# Altium PCB EPS.PcbDoc (part 2 of 10)
Units mm, origin at the board's own origin, x right, y up, seen from the top; angles counter-clockwise.
Board outline 90.25 x 93.64 mm, 8 copper layers (Top Layer, PGND, Power, Control Signals 1, Control Signals 2, Signal 1, Signal 2, Bottom Layer), stack 1.637 mm thick; 941 components, 557 nets, 2694 pads, 869 vias.
Unrouted connection lines stored in the file: 2.
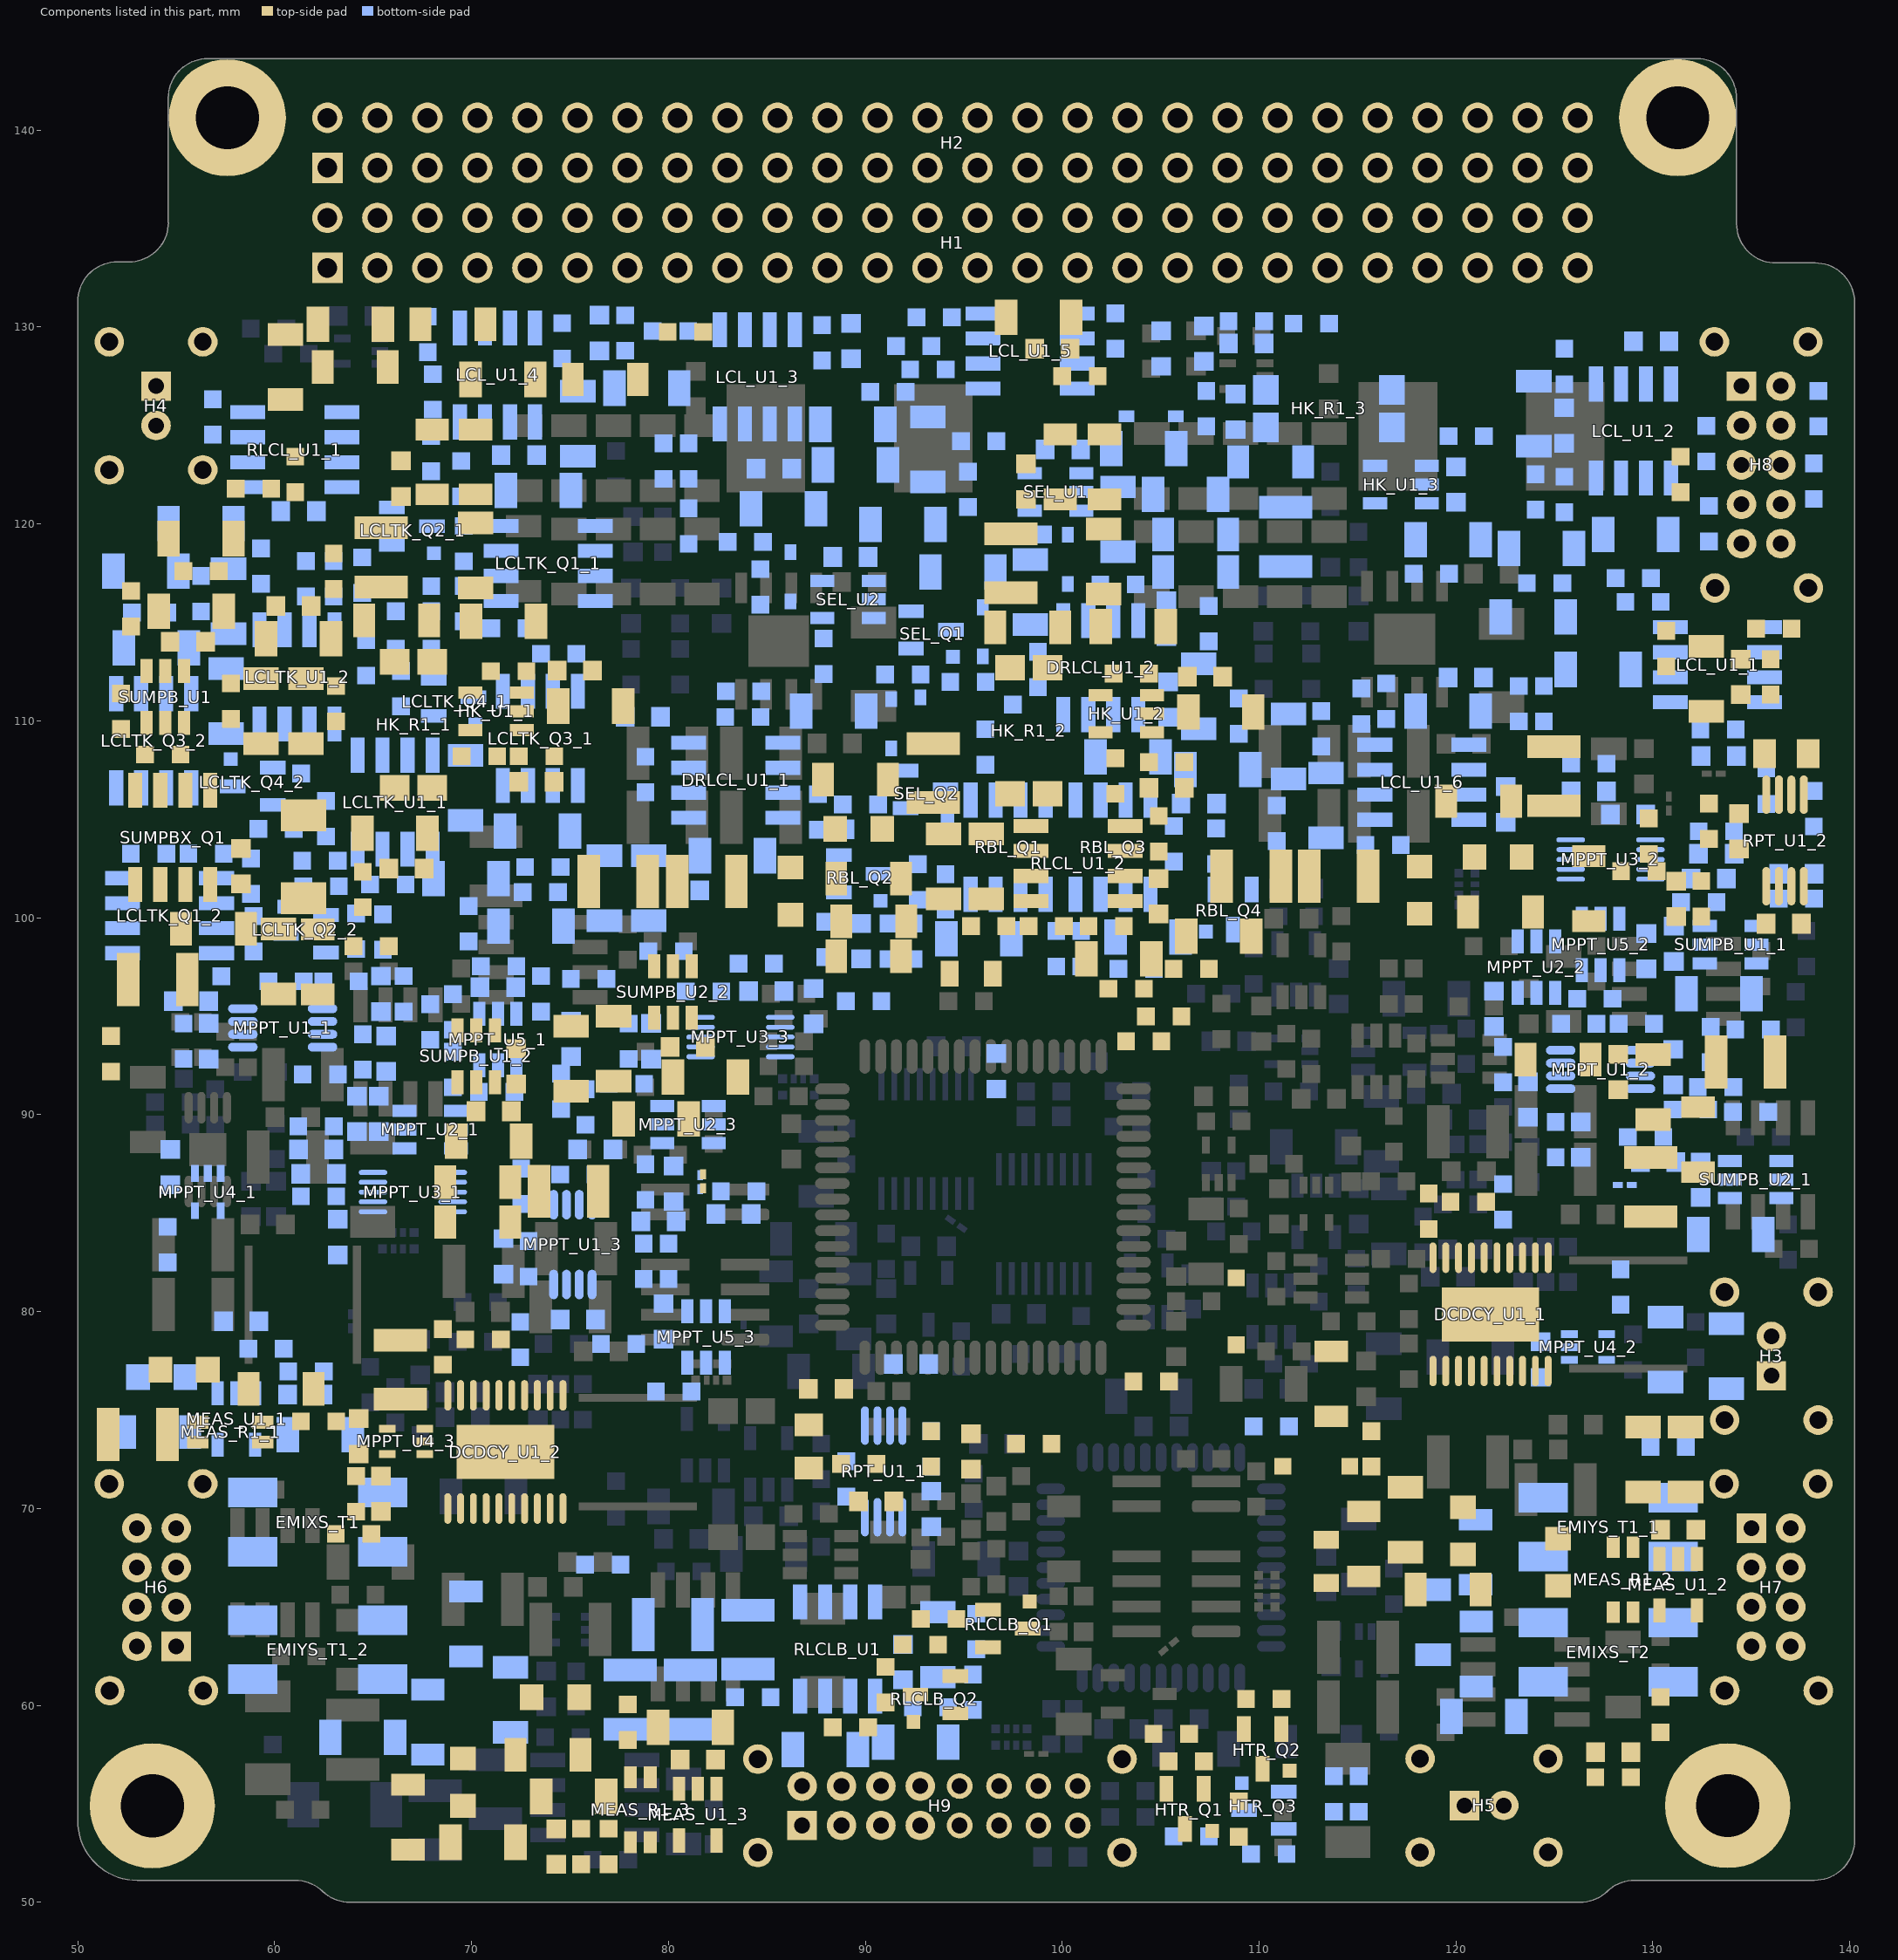
[diagram p8: the components of this part, seen from the top]

## Components (designator, comment, footprint, x,y, rotation, side; value= is the part's Value field where it differs from the comment) (continued)
DCDCY_R9_1 "470k/1%" SMD_Resistor_0603 122.39,85.571 r270 bottom (schematic designator DCDCY_R9)
DCDCY_R9_2 "470k/1%" SMD_Resistor_0603 72.479,78.575 r270 bottom (schematic designator DCDCY_R9)
DCDCY_R10_1 "47k/1%" SMD_Resistor_0603 118.618,85.09 r90 top (schematic designator DCDCY_R10)
DCDCY_R10_2 "47k/1%" SMD_Resistor_0603 68.542,78.205 r90 top (schematic designator DCDCY_R10)
DCDCY_R11_1 "18k/1%" SMD_Resistor_0603 120.623,85.571 r0 top (schematic designator DCDCY_R11)
DCDCY_R11_2 "18k/1%" SMD_Resistor_0603 70.585,78.586 r0 top (schematic designator DCDCY_R11)
DCDCY_U1_1 "LTC3115HFE-1#PBF" LT-FE-20-EPV-CA_N 121.755,79.856 r270 top (schematic designator DCDCY_U1)
DCDCY_U1_2 "LTC3115HFE-1#PBF" LT-FE-20-EPV-CA_N 71.717,72.871 r270 top (schematic designator DCDCY_U1)
DISTR_R1 "560k/1%" SMD_Resistor_0603 113.157,109.601 r270 bottom
DISTR_R2 "560k/1%" SMD_Resistor_0603 80.861,129.756 r0 top
DISTR_R3 "560k/1%" SMD_Resistor_0603 68.034,126.708 r270 bottom
DISTR_R4 "560k/1%" SMD_Resistor_0603 93.18,127.851 r0 bottom
DISTR_R5 "220k/1%" SMD_Resistor_0603 129,117.25 r0 bottom
DISTR_R6 "220k/1%" SMD_Resistor_0603 129.502,116.04 r0 bottom
DISTR_R7 "560k/1%" SMD_Resistor_0603 56.858,125.438 r270 bottom
DISTR_R8 "270k/1%" SMD_Resistor_0603 99.187,99.568 r0 top
DRLCL_C1_1 "10u/16V" SMD_Capacitor_1206 79,101.5 r270 bottom (schematic designator DRLCL_C1)
DRLCL_C1_2 "10u/16V" SMD_Capacitor_1206 103.34,108.166 r0 bottom (schematic designator DRLCL_C1)
DRLCL_C2_1 "1u/25V" SMD_Capacitor_1206 83.25,103.15 r0 bottom (schematic designator DRLCL_C2)
DRLCL_C2_2 "1u/25V" SMD_Capacitor_1206 106.934,111.252 r90 bottom (schematic designator DRLCL_C2)
DRLCL_C3_1 "100n/50V" SMD_Capacitor_0603 82.5,101.4 r0 bottom (schematic designator DRLCL_C3)
DRLCL_C3_2 "100n/50V" SMD_Capacitor_0603 105.372,111.087 r90 bottom (schematic designator DRLCL_C3)
DRLCL_C4_1 "100n/50V" SMD_Capacitor_0603 89.878,104.483 r0 bottom (schematic designator DRLCL_C4)
DRLCL_C4_2 "100n/50V" SMD_Capacitor_0603 105.283,115.189 r270 bottom (schematic designator DRLCL_C4)
DRLCL_C5_1 "10u/16V" SMD_Capacitor_1206 76.75,101.5 r90 bottom (schematic designator DRLCL_C5)
DRLCL_C5_2 "10u/16V" SMD_Capacitor_1206 107.912,107.531 r0 bottom (schematic designator DRLCL_C5)
DRLCL_R2_1 "180k/1%" SMD_Resistor_0603 83.782,110.198 r180 bottom (schematic designator DRLCL_R2)
DRLCL_R2_2 "180k/1%" SMD_Resistor_0603 98.768,112.611 r270 bottom (schematic designator DRLCL_R2)
DRLCL_R3_1 "220k/1%" SMD_Resistor_0603 78.829,107.277 r90 bottom (schematic designator DRLCL_R3)
DRLCL_R3_2 "220k/1%" SMD_Resistor_0603 97.498,111.722 r270 bottom (schematic designator DRLCL_R3)
DRLCL_R4_1 "1M" SMD_Resistor_0603 79.883,98.298 r180 bottom (schematic designator DRLCL_R4)
DRLCL_R4_2 "1M" SMD_Resistor_0603 108.966,110.236 r270 bottom (schematic designator DRLCL_R4)
DRLCL_R5_1 "51R" SMD_Resistor_0603 83.82,111.506 r180 bottom (schematic designator DRLCL_R5)
DRLCL_R5_2 "51R" SMD_Resistor_0603 107.442,114.935 r90 bottom (schematic designator DRLCL_R5)
DRLCL_R6_1 "220k/1%" SMD_Resistor_0603 87.592,105.372 r270 bottom (schematic designator DRLCL_R6)
DRLCL_R6_2 "220k/1%" SMD_Resistor_0603 102.832,116.929 r0 bottom (schematic designator DRLCL_R6)
DRLCL_U1_1 "FPF2700MX" SOIC-8-N 83.45,107 r0 bottom (schematic designator DRLCL_U1)
DRLCL_U1_2 "FPF2700MX" SOIC-8-N 101.943,112.738 r90 bottom (schematic designator DRLCL_U1)
EMIAA_C1 "10u/25V" SMD_Capacitor_1210 81.95,101.85 r180 top
EMIAA_C2 "10u/25V" SMD_Capacitor_1210 77.45,101.85 r180 top
EMIAA_C3 "10u/25V" SMD_Capacitor_1210 93.45,107.35 r90 top
EMIAA_L1 "0.56uH/5.5A" Vishay_IHLP1212 89.662,104.521 r0 top
EMIAA_L2 "1uH/5A" Vishay_IHLP1212 86.2,101.35 r270 top
EMIAA_R1 "0.22R/1%" SMD_Resistor_1206 90.17,101.981 r0 top
EMIAA_R2 "1R/1%" SMD_Resistor_1206 89.497,107.023 r180 top
EMIAB_C1 "10u/16V" SMD_Capacitor_1206 70.2,118.4 r270 top
EMIAB_C2 "100n/50V" SMD_Capacitor_0603 66.421,122.301 r90 top
EMIAB_C3 "10u/16V" SMD_Capacitor_1206 71.628,115.062 r0 top
EMIAB_C4 "10u/25V" SMD_Capacitor_1210 65.4,118.3 r90 top
EMIAB_FB1 "120R/100MHz" SMD_FerriteBead_1206 70.2,123.15 r90 top
EMIAB_FB2 "120R/100MHz" SMD_FerriteBead_1206 68,123.15 r90 top
EMIAB_R1 "1R/1%" SMD_Resistor_1206 66.2,115.1 r180 top
EMIBA_C1 "10u/25V" SMD_Capacitor_1210 114.046,102.108 r180 top
EMIBA_C2 "10u/25V" SMD_Capacitor_1210 109.601,102.108 r180 top
EMIBA_C3 "10u/25V" SMD_Capacitor_1210 124.968,107.188 r90 top
EMIBA_L1 "0.56uH/5.5A" Vishay_IHLP1212 122.136,103.086 r0 top
EMIBA_L2 "1uH/5A" Vishay_IHLP1212 118.15,101.4 r270 top
EMIBA_R1 "0.22R/1%" SMD_Resistor_1206 122.263,100.292 r0 top
EMIBA_R2 "1R/1%" SMD_Resistor_1206 121.158,105.918 r180 top
EMIBB_C1 "10u/16V" SMD_Capacitor_1206 102.1,118.1 r270 top
EMIBB_C2 "100n/50V" SMD_Capacitor_0603 98.15,122.15 r90 top
EMIBB_C3 "10u/16V" SMD_Capacitor_1206 103.6,114.8 r0 top
EMIBB_C4 "10u/25V" SMD_Capacitor_1210 97.4,118 r90 top
EMIBB_FB1 "120R/100MHz" SMD_FerriteBead_1206 102.15,122.9 r90 top
EMIBB_FB2 "120R/100MHz" SMD_FerriteBead_1206 99.9,122.9 r90 top
EMIBB_R1 "1R/1%" SMD_Resistor_1206 98.25,114.75 r180 top
EMIVBAT_C1 "100n/50V" SMD_Capacitor_0603 108.801,125.692 r90 bottom
EMIVBAT_C2 "2.2u/50V" SMD_Capacitor_1206 106.26,121.501 r180 bottom
EMIVBAT_C3 "100n/50V" SMD_Capacitor_0603 107.188,129.159 r90 bottom
EMIVBAT_C4 "2.2u/50V" SMD_Capacitor_1206 104.14,123.825 r180 bottom
EMIVBAT_C5 "10u/25V" SMD_Capacitor_1210 111.341,119.342 r270 bottom
EMIVBAT_FB1 "120R/100MHz" SMD_FerriteBead_1206 106.769,119.469 r180 bottom
EMIVBAT_FB2 "120R/100MHz" SMD_FerriteBead_1206 106.769,117.564 r180 bottom
EMIVBAT_R1 "1R/1%" SMD_Resistor_1206 110.579,123.152 r0 bottom
EMIXI_C1 "10u/25V" SMD_Capacitor_1210 53.048,73.749 r180 top
EMIXI_C2 "10u/25V" SMD_Capacitor_1210 66.383,77.051 r90 top
EMIXI_L1 "0.56uH/5.5A" Vishay_IHLP1212 54.261,76.67 r180 bottom
EMIXI_L2 "1uH/5A" Vishay_IHLP1212 55.404,77.051 r180 top
EMIXI_R1 "0.22R/1%" SMD_Resistor_1206 54.064,73.876 r180 bottom
EMIXI_R2 "0.33R/1%" SMD_Resistor_1206 60.325,76.073 r180 top
EMIXO_C1 "100n/50V" SMD_Capacitor_0603 58.293,102.616 r90 top
EMIXO_C2 "2.2u/50V" SMD_Capacitor_1206 60.198,97.79 r270 top
EMIXO_C3 "10u/25V" SMD_Capacitor_1210 54.064,96.863 r180 top
EMIXO_FB1 "120R/100MHz" SMD_FerriteBead_1206 62.192,97.752 r270 top
EMIXO_R1 "0.47R/1%" SMD_Resistor_1206 56.896,99.441 r0 top
EMIXS_C1 "1u/25V" SMD_Capacitor_1206 63.843,130.137 r180 top
EMIXS_C2 "1u/25V" SMD_Capacitor_1206 71.971,60.287 r270 bottom
EMIXS_C3 "1u/25V" SMD_Capacitor_1206 121.412,59.436 r0 bottom
EMIXS_FB1 "120R/100MHz" SMD_FerriteBead_1206 69.05,130.137 r0 top
EMIXS_FB2 "120R/100MHz" SMD_FerriteBead_1206 69.723,64.135 r90 bottom
EMIXS_FB3 "120R/100MHz" SMD_FerriteBead_1206 121.031,62.611 r90 bottom
EMIXS_T1 "2x10mR/5A" TDK_ACM7060 62.192,69.304 r0 bottom
EMIXS_T2 "2x10mR/5A" TDK_ACM7060 127.724,62.7 r180 bottom
EMIYI_C1_1 "10u/16V" SMD_Capacitor_1206 129.502,72.479 r90 top (schematic designator EMIYI_C1)
EMIYI_C1_2 "10u/16V" SMD_Capacitor_1206 75.184,55.372 r180 top (schematic designator EMIYI_C1)
EMIYI_C2_1 "10u/16V" SMD_Capacitor_1206 117.437,69.431 r90 top (schematic designator EMIYI_C2)
EMIYI_C2_2 "10u/16V" SMD_Capacitor_1206 70.574,53.048 r0 top (schematic designator EMIYI_C2)
EMIYI_L1_1 "0.56uH/5.5A" Vishay_IHLP1212 120.358,68.866 r270 top (schematic designator EMIYI_L1)
EMIYI_L1_2 "0.56uH/5.5A" Vishay_IHLP1212 69.558,56.096 r90 top (schematic designator EMIYI_L1)
EMIYI_L2_1 "1uH/5A" Vishay_IHLP1212 125.184,67.272 r270 top (schematic designator EMIYI_L2)
EMIYI_L2_2 "1uH/5A" Vishay_IHLP1212 74.257,60.414 r0 top (schematic designator EMIYI_L2)
EMIYI_R1_1 "0.22R/1%" SMD_Resistor_1206 119.596,65.875 r180 top (schematic designator EMIYI_R1)
EMIYI_R1_2 "0.22R/1%" SMD_Resistor_1206 73.876,57.493 r180 top (schematic designator EMIYI_R1)
EMIYI_R2_1 "0.33R/1%" SMD_Resistor_1206 115.316,68.199 r90 top (schematic designator EMIYI_R2)
EMIYI_R2_2 "0.33R/1%" SMD_Resistor_1206 66.764,54.318 r90 top (schematic designator EMIYI_R2)
EMIYO_C1_1 "100n/50V" SMD_Capacitor_0603 128.232,92.164 r270 top (schematic designator EMIYO_C1)
EMIYO_C1_2 "100n/50V" SMD_Capacitor_0603 71.12,90.17 r0 top (schematic designator EMIYO_C1)
EMIYO_C2_1 "10u/16V" SMD_Capacitor_1206 130.01,91.402 r270 top (schematic designator EMIYO_C2)
EMIYO_C2_2 "10u/16V" SMD_Capacitor_1206 70.866,88.646 r0 top (schematic designator EMIYO_C2)
EMIYO_C3_1 "10u/25V" SMD_Capacitor_1210 129.883,86.322 r270 top (schematic designator EMIYO_C3)
EMIYO_C3_2 "10u/25V" SMD_Capacitor_1210 74.93,86.106 r0 top (schematic designator EMIYO_C3)
EMIYO_FB1_1 "120R/100MHz" SMD_FerriteBead_1206 125.184,92.799 r180 top (schematic designator EMIYO_FB1)
EMIYO_FB1_2 "120R/100MHz" SMD_FerriteBead_1206 70.321,84.544 r0 top (schematic designator EMIYO_FB1)
EMIYO_R1_1 "0.47R/1%" SMD_Resistor_1206 132.296,88.735 r90 top (schematic designator EMIYO_R1)
EMIYO_R1_2 "0.47R/1%" SMD_Resistor_1206 70.32,86.576 r180 top (schematic designator EMIYO_R1)
EMIYS_C1_1 "1u/25V" SMD_Capacitor_1206 60.541,127.979 r90 top (schematic designator EMIYS_C1)
EMIYS_C1_2 "1u/25V" SMD_Capacitor_1206 71.59,127.343 r180 top (schematic designator EMIYS_C1)
EMIYS_C2_1 "1u/25V" SMD_Capacitor_1206 118.834,64.224 r270 bottom (schematic designator EMIYS_C2)
EMIYS_C2_2 "1u/25V" SMD_Capacitor_1206 64.478,58.382 r180 bottom (schematic designator EMIYS_C2)
EMIYS_FB1_1 "120R/100MHz" SMD_FerriteBead_1206 64.097,127.978 r0 top (schematic designator EMIYS_FB1)
EMIYS_FB1_2 "120R/100MHz" SMD_FerriteBead_1206 76.797,127.343 r0 top (schematic designator EMIYS_FB1)
EMIYS_FB2_1 "120R/100MHz" SMD_FerriteBead_1206 120.993,67.78 r90 bottom (schematic designator EMIYS_FB2)
EMIYS_FB2_2 "120R/100MHz" SMD_FerriteBead_1206 67.78,59.144 r90 bottom (schematic designator EMIYS_FB2)
EMIYS_T1_1 "2x10mR/5A" TDK_ACM7060 127.724,69.05 r180 bottom (schematic designator EMIYS_T1)
EMIYS_T1_2 "2x10mR/5A" TDK_ACM7060 62.192,62.827 r0 bottom (schematic designator EMIYS_T1)
H1 "Samtec Header ESQ-126-39-G-D" Samtec_ESQ-126-39-G-D 62.676,133.008 r0 top locked
H2 "Samtec Header ESQ-126-39-G-D" Samtec_ESQ-126-39-G-D 62.676,138.088 r0 top locked
H3 "KILL-A" Harwin_Datamate_L-Tek_M80-8770222 136.017,76.74 r90 top locked value="Harwin DataMate L-Tek 1x2pin"
H4 "KILL-B" Harwin_Datamate_L-Tek_M80-8770222 53.975,127 r270 top value="Harwin DataMate L-Tek 1x2pin"
H5 "RBL-NO" Harwin_Datamate_L-Tek_M80-8770222 120.426,54.915 r0 top locked value="Harwin DataMate L-Tek 1x2pin"
H6 "PanelsX+Y-" Harwin_Datamate_L-Tek_M80-8670805 55,63 r90 top locked value="Harwin DataMate L-Tek 2x4pin"
H7 "PanelsX-Y+" Harwin_Datamate_L-Tek_M80-8670805 135,69 r270 top locked value="Harwin DataMate L-Tek 2x4pin"
H8 "ANTenna" Harwin_Datamate_L-Tek_M80-8671005 134.5,127 r270 top locked value="Harwin DataMate L-Tek 2x5pin"
H9 "BatteryPack" Harwin_Datamate_L-Tek_M80-8531642 86.79,53.898 r0 top locked
HK_C1_1 "100n/50V" SMD_Capacitor_0603 73.3,106.9 r0 top (schematic designator HK_C1)
HK_C1_2 "100n/50V" SMD_Capacitor_0603 105.3,106.6 r0 top (schematic designator HK_C1)
HK_C1_3 "100n/50V" SMD_Capacitor_0603 109.347,129.159 r180 bottom (schematic designator HK_C1)
HK_C2_1 "10u/16V" SMD_Capacitor_1206 76.05,110.75 r0 top (schematic designator HK_C2)
HK_C2_2 "10u/16V" SMD_Capacitor_1206 108.05,110.45 r0 top (schematic designator HK_C2)
HK_C2_3 "10u/16V" SMD_Capacitor_1206 119.6,119.2 r0 bottom (schematic designator HK_C2)
HK_C3_1 "100n/50V" SMD_Capacitor_0603 75.25,112.55 r0 top (schematic designator HK_C3)
HK_C3_2 "100n/50V" SMD_Capacitor_0603 107.25,112.25 r0 top (schematic designator HK_C3)
HK_C3_3 "100n/50V" SMD_Capacitor_0603 120,122 r90 bottom (schematic designator HK_C3)
HK_C4_1 "10n/50V" SMD_Capacitor_0603 88.011,76.073 r0 top (schematic designator HK_C4)
HK_C4_2 "10n/50V" SMD_Capacitor_0603 96.647,92.202 r90 bottom (schematic designator HK_C4)
HK_C4_3 "10n/50V" SMD_Capacitor_0603 92.329,77.343 r180 bottom (schematic designator HK_C4)
HK_R1_1 "0.033R/1%" SMD_Resistor-shunt_2512 67.05,109.8 r270 top (schematic designator HK_R1)
HK_R1_2 "0.033R/1%" SMD_Resistor-shunt_2512 98.3,109.5 r270 top (schematic designator HK_R1)
HK_R1_3 "0.033R/1%" SMD_Resistor-shunt_2512 113.538,125.857 r0 bottom (schematic designator HK_R1)
HK_R2_1 "100R" SMD_Resistor_0603 71.882,112.522 r0 top (schematic designator HK_R2)
HK_R2_2 "100R" SMD_Resistor_0603 103.505,112.395 r0 top (schematic designator HK_R2)
HK_R2_3 "100R" SMD_Resistor_0603 118.745,117.475 r180 bottom (schematic designator HK_R2)
HK_R3_1 "4.7k/1%" SMD_Resistor_0603 70.4,108.2 r0 top (schematic designator HK_R3)
HK_R3_2 "4.7k/1%" SMD_Resistor_0603 102.7,107.2 r90 top (schematic designator HK_R3)
HK_R3_3 "4.7k/1%" SMD_Resistor_0603 112.649,130.175 r180 bottom (schematic designator HK_R3)
HK_R4_1 "2.2k/1%" SMD_Resistor_0603 73.3,108.2 r0 top (schematic designator HK_R4)
HK_R4_2 "2.2k/1%" SMD_Resistor_0603 105.3,107.9 r0 top (schematic designator HK_R4)
HK_R4_3 "2.2k/1%" SMD_Resistor_0603 109.347,130.302 r180 bottom (schematic designator HK_R4)
HK_R5_1 "1k/1%" SMD_Resistor_0603 51.689,93.091 r270 top (schematic designator HK_R5)
HK_R5_2 "1k/1%" SMD_Resistor_0603 105.156,94.996 r180 top (schematic designator HK_R5)
HK_R5_3 "1k/1%" SMD_Resistor_0603 120.523,124.46 r0 bottom (schematic designator HK_R5)
HK_U1_1 "MAX4372" SOT23-5 71.247,110.49 r180 top (schematic designator HK_U1)
HK_U1_2 "MAX4372" SOT23-5 103.251,110.363 r180 top (schematic designator HK_U1)
HK_U1_3 "MAX4372" SOT23-5 117.2,122 r180 bottom (schematic designator HK_U1)
HTR_Q1 "2N2907ACSM" LCC1-4_BEC 106.238,56.053 r180 top
HTR_Q2 "2N2222ACSM" LCC1-4_BEC 110.175,59.101 r180 top
HTR_Q3 "2N7000CSM" LCC1-4_GSD 111.552,54.671 r270 bottom
HTR_R1 "2.2k/1%" SMD_Resistor_0603 105.537,58.547 r180 top
HTR_R2 "1k/1%" SMD_Resistor_0603 106.553,53.34 r180 bottom
HTR_R3 "10k/1%" SMD_Resistor_0603 110.49,52.451 r180 bottom
HTR_R4 "22k/1%" SMD_Resistor_0603 106.299,57.15 r180 top
HTR_R5 "10k/1%" SMD_Resistor_0603 108.966,54.229 r90 top
HTR_R6 "2.2k/1%" SMD_Resistor_0603 115.062,55.499 r90 bottom
HTR_R7 "10k/1%" SMD_Resistor_0603 113.792,55.499 r90 bottom
HTR_R8 "10k/1%" SMD_Resistor_0603 110.236,60.325 r180 top
LCL_C1_1 "10u/16V" SMD_Capacitor_1206 127.216,112.611 r180 bottom (schematic designator LCL_C1)
LCL_C1_2 "10u/16V" SMD_Capacitor_1206 129.121,119.469 r180 bottom (schematic designator LCL_C1)
LCL_C1_3 "10u/16V" SMD_Capacitor_1206 89.37,125.057 r0 bottom (schematic designator LCL_C1)
LCL_C1_4 "10u/16V" SMD_Capacitor_1206 75.4,125.1 r90 bottom (schematic designator LCL_C1)
LCL_C1_5 "10u/16V" SMD_Capacitor_1206 93.18,123.787 r270 bottom (schematic designator LCL_C1)
LCL_C1_6 "10u/16V" SMD_Capacitor_1206 113.4,105.7 r90 bottom (schematic designator LCL_C1)
LCL_C2_1 "100n/50V" SMD_Capacitor_0603 133.35,108.204 r180 bottom (schematic designator LCL_C2)
LCL_C2_2 "100n/50V" SMD_Capacitor_0603 129.921,129.286 r180 bottom (schematic designator LCL_C2)
LCL_C2_3 "100n/50V" SMD_Capacitor_0603 89.281,129.286 r270 bottom (schematic designator LCL_C2)
LCL_C2_4 "100n/50V" SMD_Capacitor_0603 76.5,129.7 r90 bottom (schematic designator LCL_C2)
LCL_C2_5 "100n/50V" SMD_Capacitor_0603 105.029,128.905 r90 bottom (schematic designator LCL_C2)
LCL_C2_6 "100n/50V" SMD_Capacitor_0603 122.517,105.753 r90 bottom (schematic designator LCL_C2)
LCL_C3_1 "10u/16V" SMD_Capacitor_1206 123.914,115.278 r180 bottom (schematic designator LCL_C3)
LCL_C3_2 "10u/16V" SMD_Capacitor_1206 124.337,118.75 r180 bottom (schematic designator LCL_C3)
LCL_C3_3 "10u/16V" SMD_Capacitor_1206 89.5,123 r180 bottom (schematic designator LCL_C3)
LCL_C3_4 "10u/16V" SMD_Capacitor_1206 78.9,126.9 r0 bottom (schematic designator LCL_C3)
LCL_C3_5 "10u/16V" SMD_Capacitor_1206 91.91,119.977 r180 bottom (schematic designator LCL_C3)
LCL_C3_6 "10u/16V" SMD_Capacitor_1206 111.5,108.7 r90 bottom (schematic designator LCL_C3)
LCL_C4_1 "1u/25V" SMD_Capacitor_1206 132.715,112.141 r90 top (schematic designator LCL_C4)
LCL_C4_2 "1u/25V" SMD_Capacitor_1206 123.952,125.603 r90 bottom (schematic designator LCL_C4)
LCL_C4_3 "1u/25V" SMD_Capacitor_1206 85.852,120.777 r180 bottom (schematic designator LCL_C4)
LCL_C4_4 "1u/25V" SMD_Capacitor_1206 73.4,121.7 r180 bottom (schematic designator LCL_C4)
LCL_C4_5 "1u/25V" SMD_Capacitor_1206 98.8,130.5 r0 top (schematic designator LCL_C4)
LCL_C4_6 "1u/25V" SMD_Capacitor_1206 119.6,110.5 r0 bottom (schematic designator LCL_C4)
LCL_C5_1 "100n/50V" SMD_Capacitor_0603 134.455,112.23 r90 top (schematic designator LCL_C5)
LCL_C5_2 "100n/50V" SMD_Capacitor_0603 125.5,125 r90 bottom (schematic designator LCL_C5)
LCL_C5_3 "100n/50V" SMD_Capacitor_0603 85.355,122.809 r180 bottom (schematic designator LCL_C5)
LCL_C5_4 "100n/50V" SMD_Capacitor_0603 72.4,123.5 r180 bottom (schematic designator LCL_C5)
LCL_C5_5 "100n/50V" SMD_Capacitor_0603 99.5,128.9 r0 top (schematic designator LCL_C5)
LCL_C5_6 "100n/50V" SMD_Capacitor_0603 120.5,112.2 r0 bottom (schematic designator LCL_C5)
LCL_R1_1 "220k/1%" SMD_Resistor_0603 133.312,109.563 r0 bottom (schematic designator LCL_R1)
LCL_R1_2 "220k/1%" SMD_Resistor_0603 131.407,122.517 r90 top (schematic designator LCL_R1)
LCL_R1_3 "220k/1%" SMD_Resistor_0603 87.8,129.2 r90 bottom (schematic designator LCL_R1)
LCL_R1_4 "220k/1%" SMD_Resistor_0603 74.6,129.3 r90 bottom (schematic designator LCL_R1)
LCL_R1_5 "220k/1%" SMD_Resistor_0603 100.9,127.5 r0 top (schematic designator LCL_R1)
LCL_R1_6 "220k/1%" SMD_Resistor_0603 116.3,103.7 r0 bottom (schematic designator LCL_R1)
LCL_R2_1 "100k" SMD_Resistor_0603 136.144,114.681 r180 top (schematic designator LCL_R2)
LCL_R2_2 "100k" SMD_Resistor_0603 125.5,121.5 r90 bottom (schematic designator LCL_R2)
LCL_R2_3 "100k" SMD_Resistor_0603 81.026,123.19 r90 bottom (schematic designator LCL_R2)
LCL_R2_4 "100k" SMD_Resistor_0603 67.945,123.571 r90 bottom (schematic designator LCL_R2)
LCL_R2_5 "100k" SMD_Resistor_0603 93.5,130.5 r0 bottom (schematic designator LCL_R2)
LCL_R2_6 "100k" SMD_Resistor_0603 116.459,110.998 r270 bottom (schematic designator LCL_R2)
LCL_R3_1 "51R" SMD_Resistor_0603 135.979,112.23 r90 top (schematic designator LCL_R3)
LCL_R3_2 "51R" SMD_Resistor_0603 125.5,128 r270 bottom (schematic designator LCL_R3)
LCL_R3_3 "51R" SMD_Resistor_0603 80.1,129.8 r0 bottom (schematic designator LCL_R3)
LCL_R3_4 "51R" SMD_Resistor_0603 67.78,129.629 r90 bottom (schematic designator LCL_R3)
LCL_R3_5 "51R" SMD_Resistor_0603 102.7,129.8 r270 bottom (schematic designator LCL_R3)
LCL_R3_6 "51R" SMD_Resistor_0603 123.19,110.871 r90 bottom (schematic designator LCL_R3)
LCL_R4_1 "1k" SMD_Resistor_0603 130.683,113.665 r270 top (schematic designator LCL_R4)
LCL_R4_2 "1k" SMD_Resistor_0603 124.041,121.628 r270 bottom (schematic designator LCL_R4)
LCL_R4_3 "1k" SMD_Resistor_0603 79.756,123.19 r270 bottom (schematic designator LCL_R4)
LCL_R4_4 "1k" SMD_Resistor_0603 69.469,122.301 r270 bottom (schematic designator LCL_R4)
LCL_R4_5 "1k" SMD_Resistor_0603 92.456,129.032 r180 bottom (schematic designator LCL_R4)
LCL_R4_6 "1k" SMD_Resistor_0603 115.189,110.744 r90 bottom (schematic designator LCL_R4)
LCL_R5_1 "1M" SMD_Resistor_0603 124.46,110.871 r90 bottom (schematic designator LCL_R5)
LCL_R5_2 "1M" SMD_Resistor_0603 124.5,117 r0 bottom (schematic designator LCL_R5)
LCL_R5_3 "1M" SMD_Resistor_0603 91.148,126.708 r0 bottom (schematic designator LCL_R5)
LCL_R5_4 "1M" SMD_Resistor_0603 77.8,129.7 r270 bottom (schematic designator LCL_R5)
LCL_R5_5 "1M" SMD_Resistor_0603 95.758,124.206 r180 bottom (schematic designator LCL_R5)
LCL_R5_6 "1M" SMD_Resistor_0603 110.9,104.8 r90 bottom (schematic designator LCL_R5)
LCL_U1_1 "FPF2701MX" SOIC-8-N 133.312,112.865 r0 bottom (schematic designator LCL_U1)
LCL_U1_2 "FPF2701MX" SOIC-8-N 129,124.75 r90 bottom (schematic designator LCL_U1)
LCL_U1_3 "FPF2701MX" SOIC-8-N 84.5,127.5 r90 bottom (schematic designator LCL_U1)
LCL_U1_4 "FPF2701MX" SOIC-8-N 71.3,127.6 r90 bottom (schematic designator LCL_U1)
LCL_U1_5 "FPF2701MX" SOIC-8-N 98.4,128.8 r0 bottom (schematic designator LCL_U1)
LCL_U1_6 "FPF2701MX" SOIC-8-N 118.3,106.9 r0 bottom (schematic designator LCL_U1)
LCLTK_C1_1 "10u/16V" SMD_Capacitor_1206 69.723,101.981 r0 bottom (schematic designator LCLTK_C1)
LCLTK_C1_2 "10u/16V" SMD_Capacitor_1206 57.658,116.078 r90 bottom (schematic designator LCLTK_C1)
LCLTK_C2_1 "1u/25V" SMD_Capacitor_1206 69.7,106.6 r270 bottom (schematic designator LCLTK_C2)